# Altium PCB Thande.PcbDoc
Units mm, origin at the board's own origin, x right, y up, seen from the top; angles counter-clockwise.
Board outline 88.52 x 87 mm, 2 copper layers (Top Layer, Bottom Layer); 55 components, 37 nets, 221 pads, 36 vias.
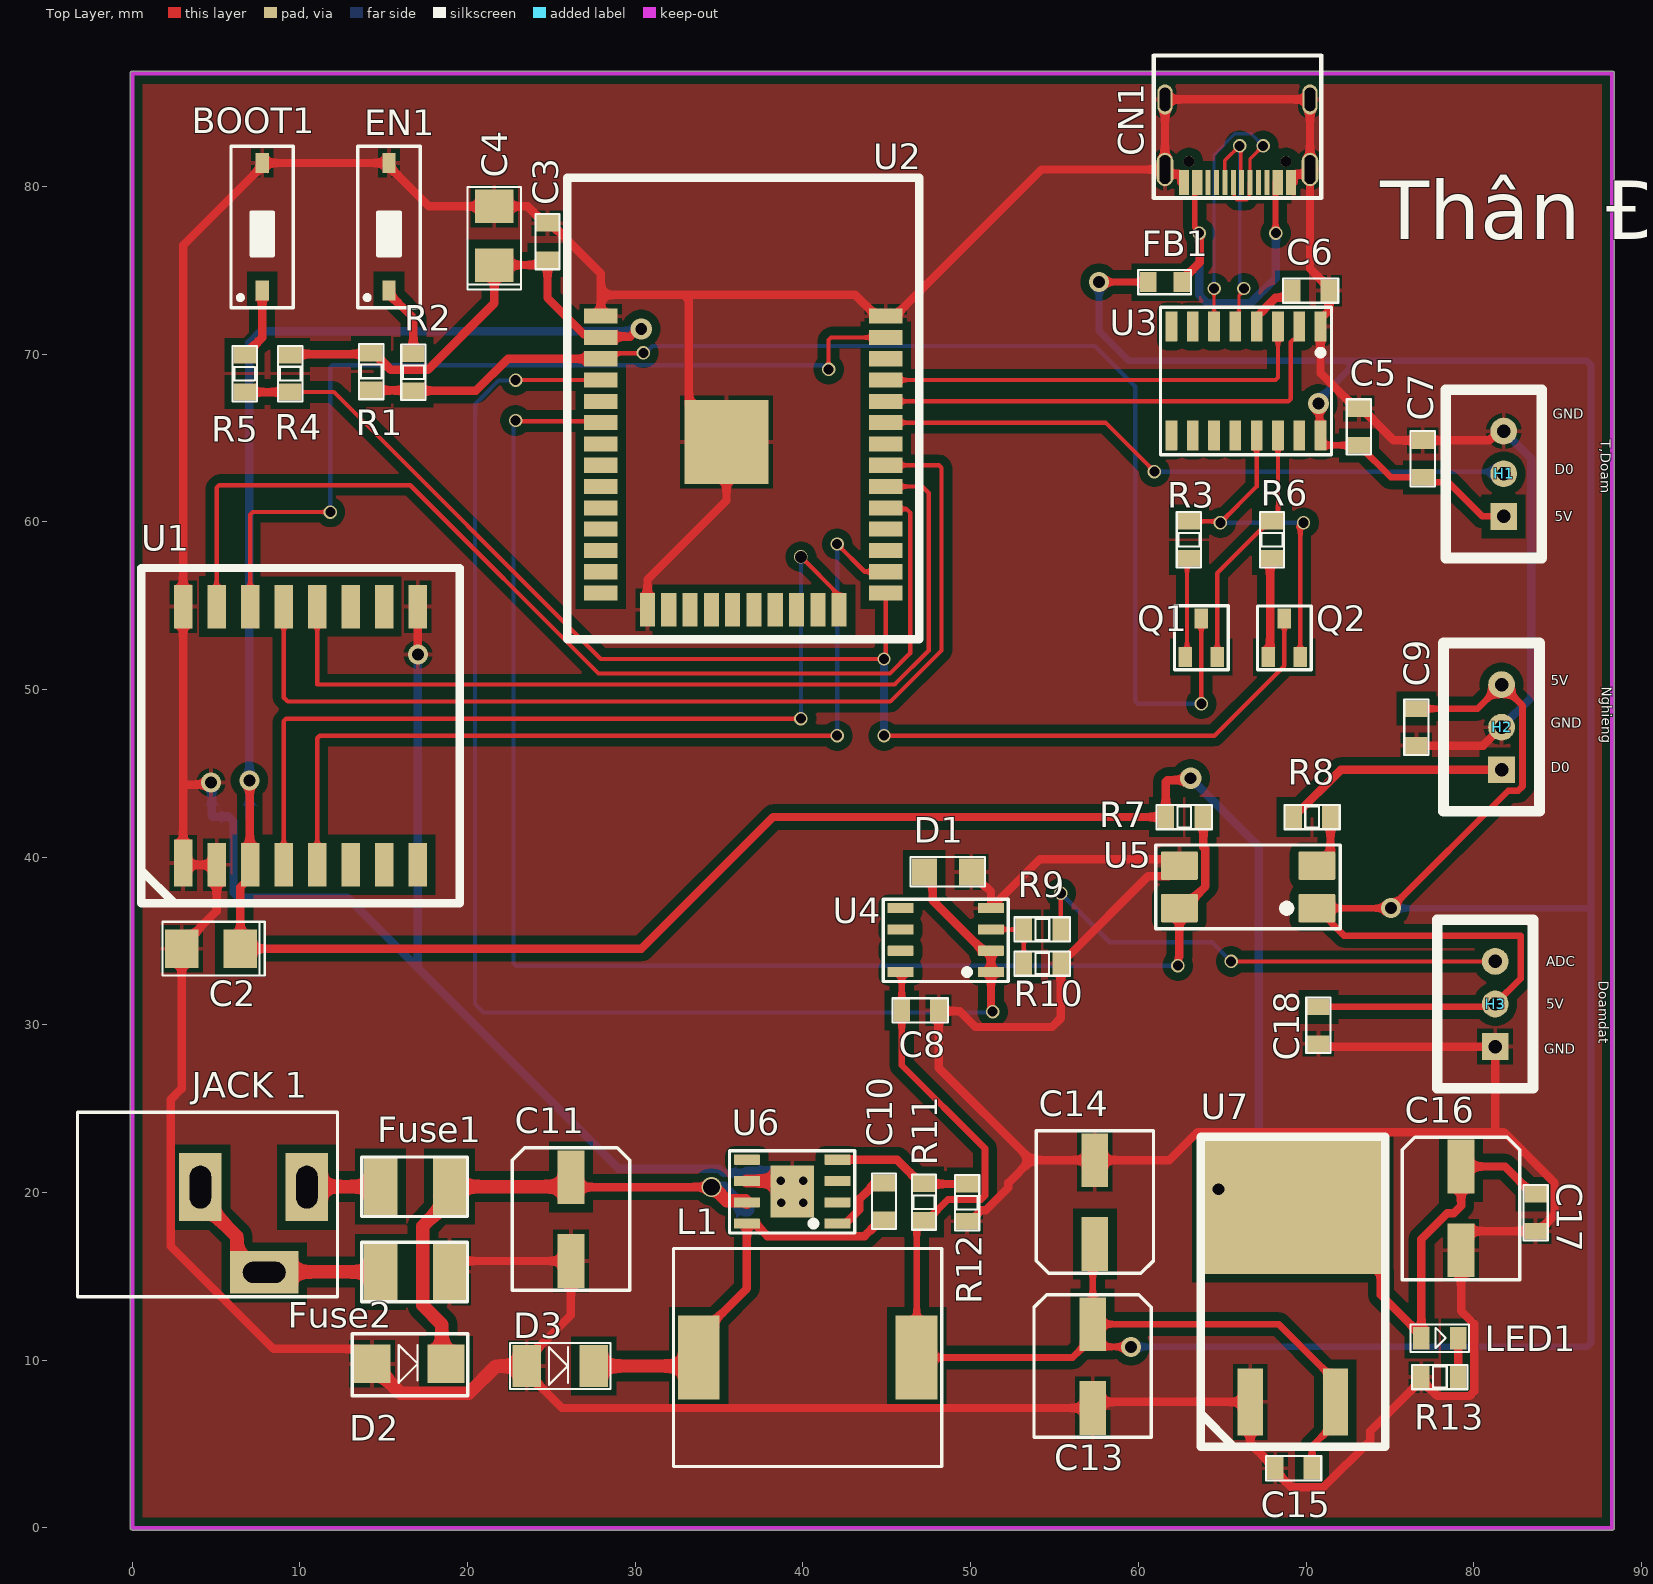
[diagram p0: Top Layer view]
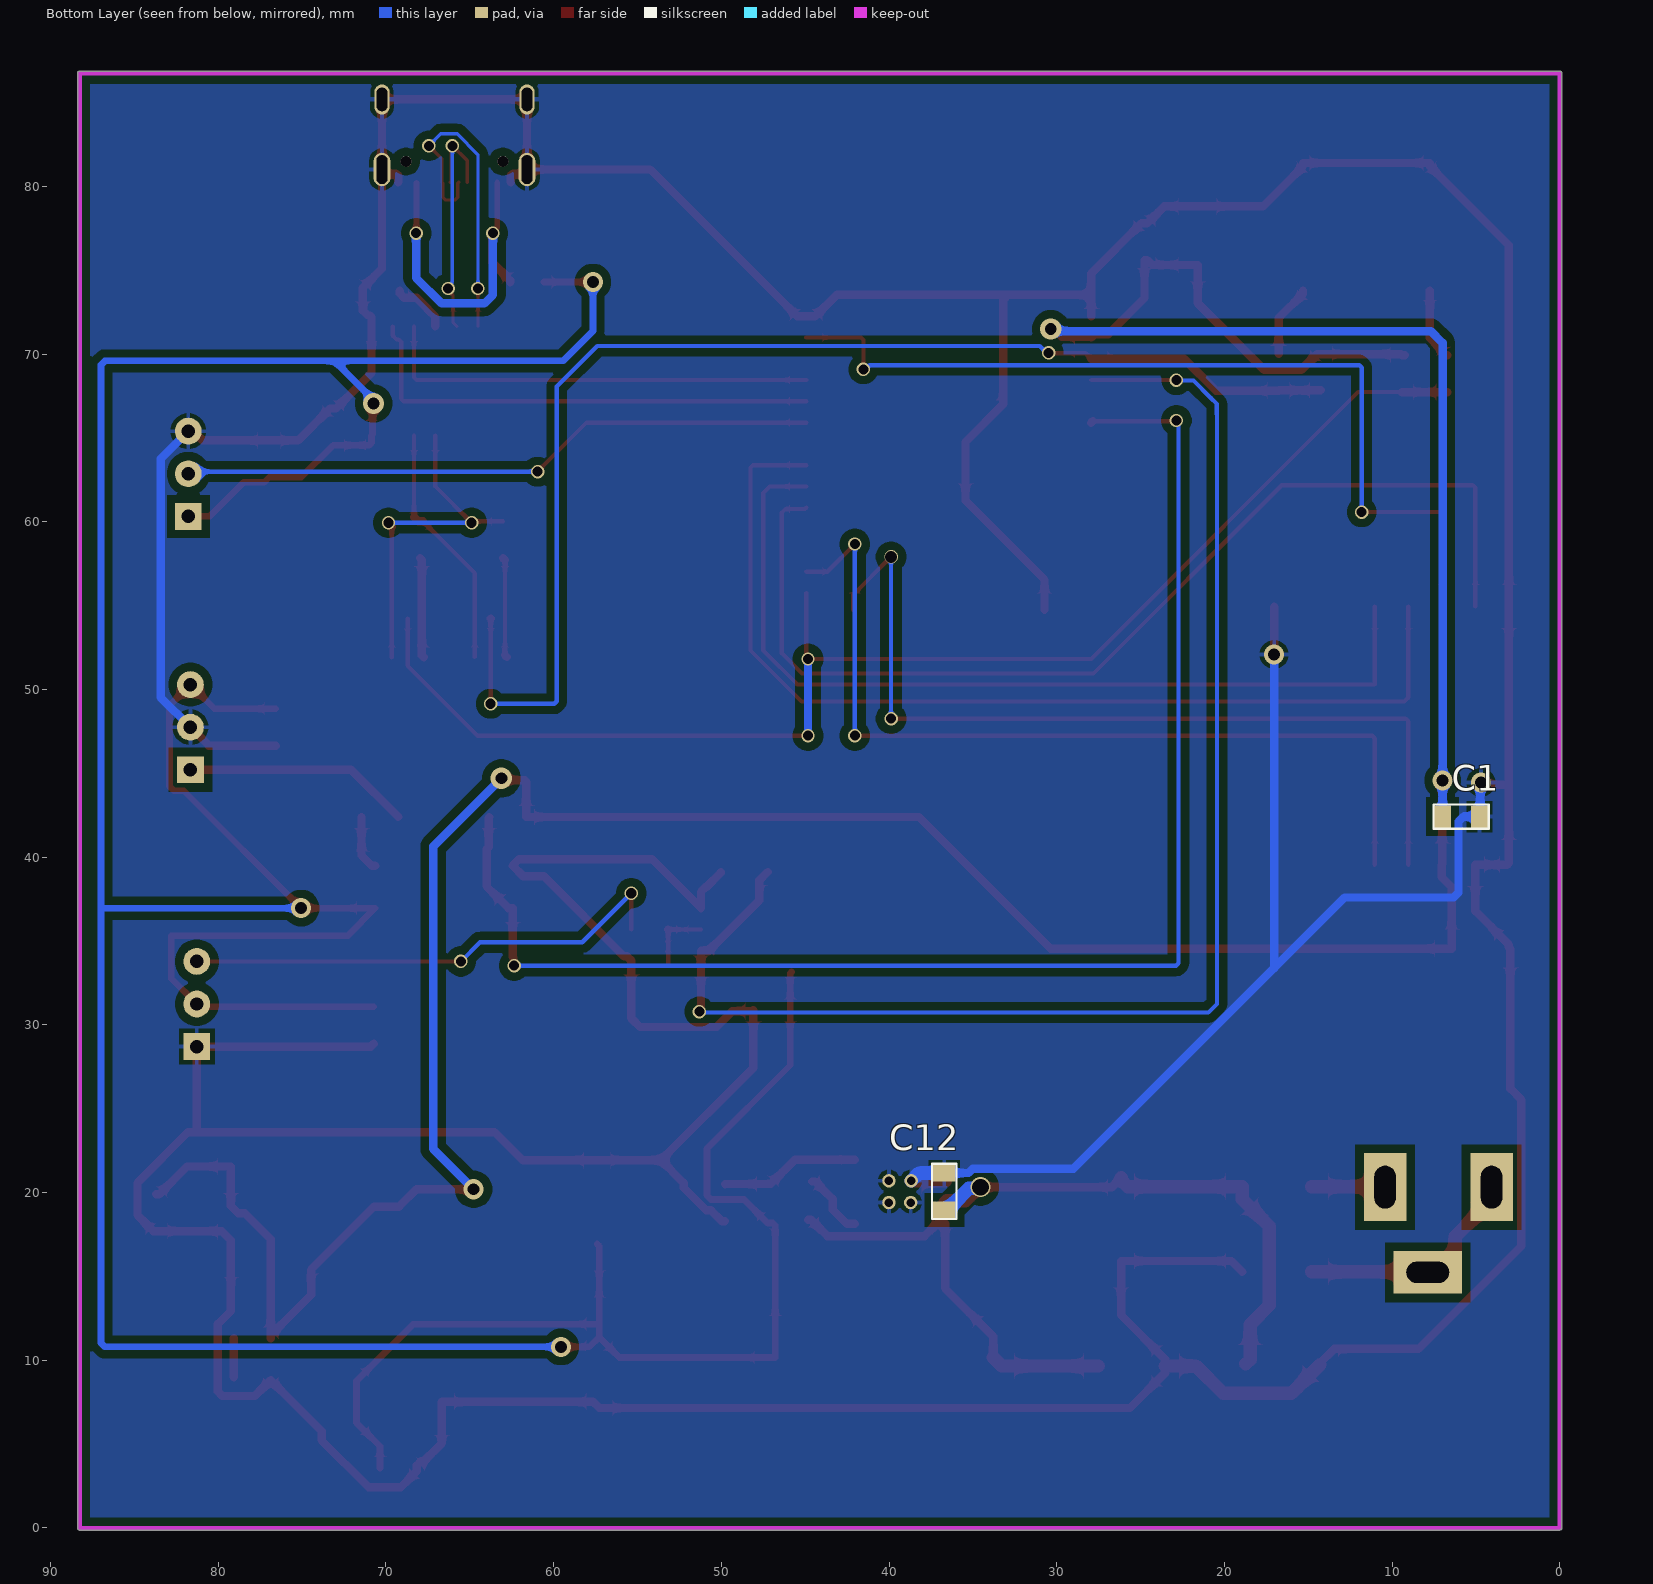
[diagram p1: Bottom Layer view, seen from below]
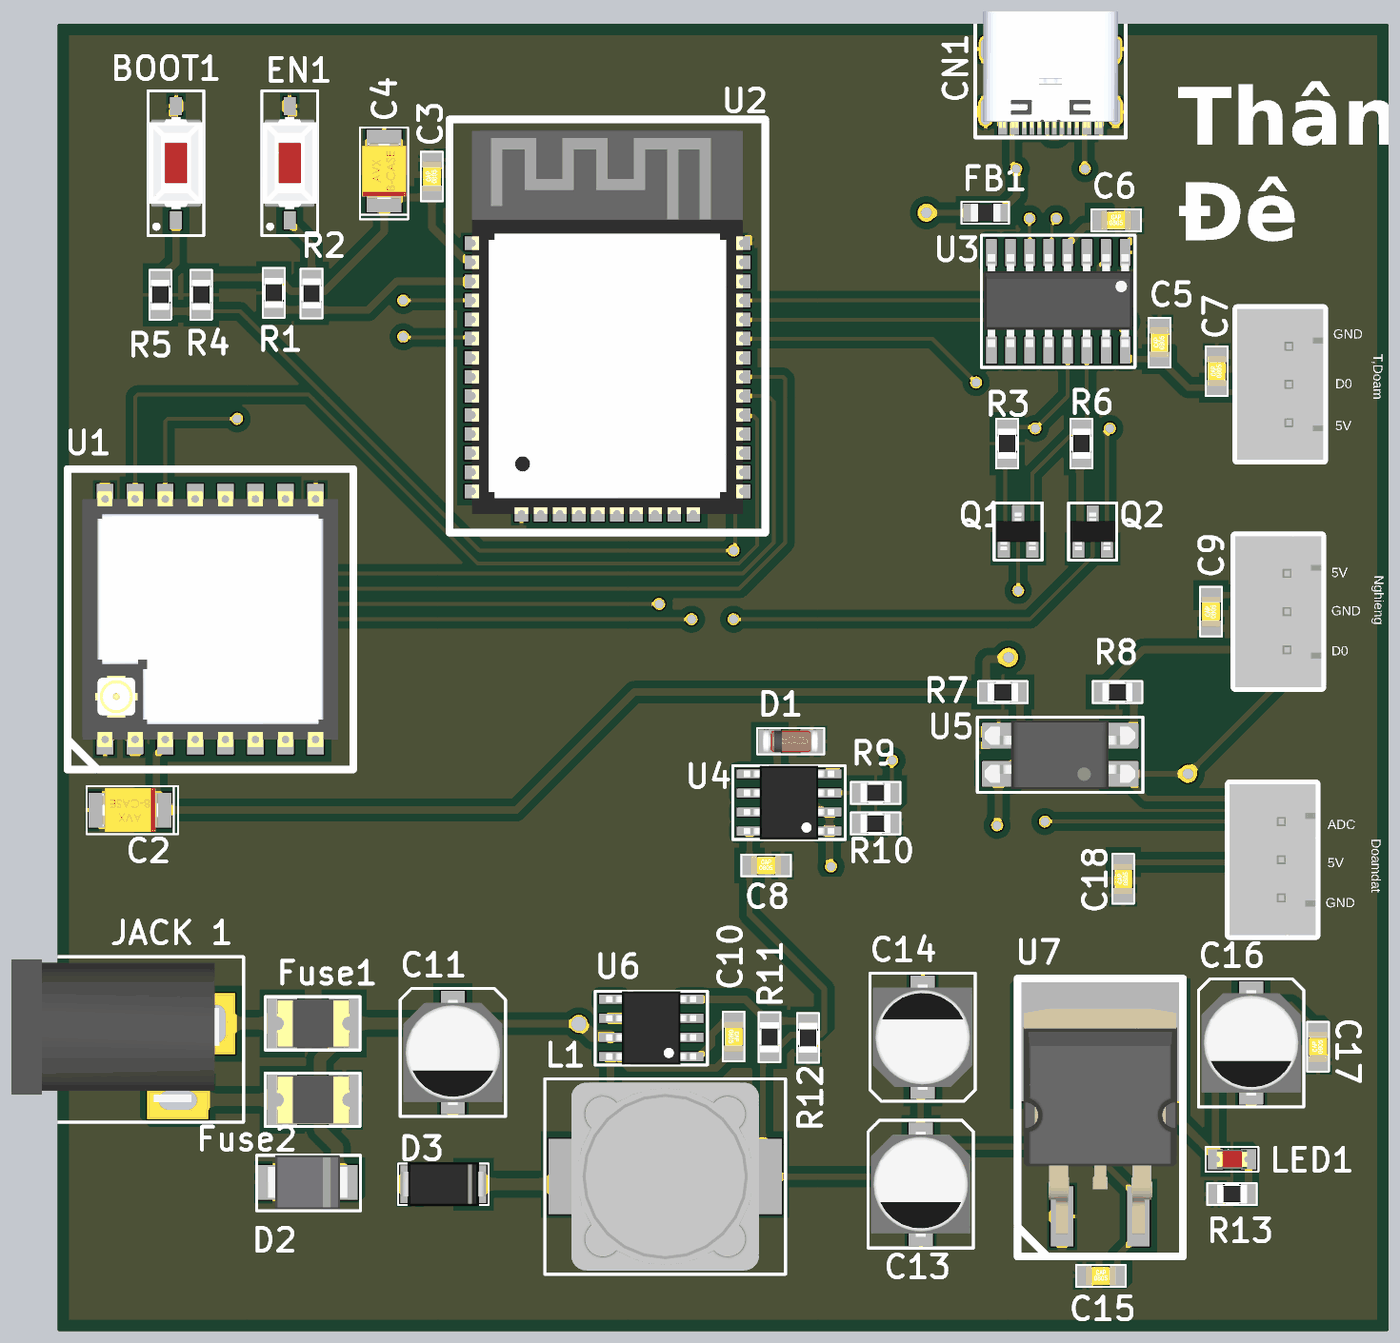
[diagram p2: 3D render of the assembled board from above, using the file's embedded part models]

## Layer stack, top to bottom
Top Solder: solder mask 0.0102, Solder Resist, Dk 3.5
Top Layer: signal copper 0.0356
Dielectric 1: dielectric 0.32, FR-4, Dk 4.8
Bottom Layer: signal copper 0.0356
Bottom Solder: solder mask 0.0102, Solder Resist, Dk 3.5

## Board outline
-0.127,0 -0.127,86.741 cw(c0,86.741) 0,86.868 88.265,86.868 cw(c88.265,86.741) 88.392,86.741 88.392,0 cw(c88.265,0) 88.265,-0.127 0,-0.127 cw(c0,0)

## Design rules (kind name [scope] priority, off if disabled: settings)
Clearance [All] p1: gap=0.254 ignorepadtopadclearanceinfootprint=FALSE except(0: Arc-Hole Track-Hole SMDPad-Hole THPad-Hole Via-Hole Fill-Hole Poly-Hole Region-Hole Text-Hole; 0.2: Arc-Arc Arc-Track Arc-SMDPad Track-Track Track-SMDPad SMDPad-SMDPad; 0.5: Arc-Poly Track-Poly SMDPad-Poly THPad-Poly Via-Poly Fill-Poly Poly-Poly)
PolygonConnect [All] p1: connectstyle=Relief reliefconductorwidth=0.254 reliefentries=4 polygonreliefangle="90 Angle" airgapwidth=0.254
RoutingVias [All] p1: holewidth=0.8 width=1 viastyle="Through Hole" minholewidth=0.8 minwidth=1 maxholewidth=0.8 maxwidth=1
SolderMaskExpansion [All] p1: expansion=0.102 istentingtop=FALSE
Width USB1 [InNet('NetCN1_A7')] p1: maxlimit=0.2 minlimit=0.2 preferedwidth=0.2
Width USB [InNet('NetCN1_A6')] p2: maxlimit=0.2 minlimit=0.2 preferedwidth=0.2
Width 5V [InNet('VCC_5')] p3: maxlimit=0.8 minlimit=0.4 preferedwidth=0.6
Width 12V [All] p4: maxlimit=1 minlimit=0.5 preferedwidth=0.8
Width 3.3V [InNet('VCC_3.3')] p5: maxlimit=0.5 minlimit=0.3 preferedwidth=0.4
Width GND [InNet('GND')] p6: maxlimit=0.8 minlimit=0.4 preferedwidth=0.6
Width GND_IN [InNet('GND_IN')] p7: maxlimit=1 minlimit=0.5 preferedwidth=0.8
Width 12V_IN [InNet('VCC_12_IN')] p8: maxlimit=1 minlimit=0.5 preferedwidth=0.8
Width ALL [All] p9: maxlimit=0.3 minlimit=0.2 preferedwidth=0.254
30 further rules are at their usual default settings.

## Components (designator, comment, footprint, x,y, rotation, side; value= is the part's Value field where it differs from the comment)
BOOT1 "SW_2pin_SMD" SW2-SMD** 7.747,77.597 r90 top
C1 "100nF/50V" CAP-0805** 5.885,42.418 r0 bottom
C2 "100uF/10V" CAP-TANTA-3528** 4.699,34.544 r180 top
C3 "100nF/50V" CAP-0805** 24.765,76.708 r90 top
C4 "100uF/10V" CAP-TANTA-3528** 21.59,77.061 r90 top
C5 "100nF/50V" CAP-0805** 73.152,65.659 r90 top
C6 "100nF/50V" CAP-0805** 70.274,73.787 r0 top
C7 "100nF/50V" CAP-0805** 76.962,63.754 r90 top
C8 "100nF/50V" CAP-0805** 46.99,30.861 r0 top
C9 "100nF/50V" CAP-0805** 76.581,47.752 r90 top
C10 "100nF/50V" CAP-0805** 44.831,19.474 r270 top
C11 "100uF/35V" "CAP-AL- Size D8_6.3×7.7 mm**" 26.162,18.415 r270 top
C12 "100nF/50V" CAP-0805** 36.703,20.066 r270 bottom
C13 "100uF/35V" "CAP-AL- Size D8_6.3×7.7 mm**" 57.277,9.652 r270 top
C14 "100uF/35V" "CAP-AL- Size D8_6.3×7.7 mm**" 57.404,19.431 r90 top
C15 "100nF/50V" CAP-0805** 69.258,3.556 r0 top
C16 "100uF/35V" "CAP-AL- Size D8_6.3×7.7 mm**" 79.248,19.05 r270 top
C17 "100nF/50V" CAP-0805** 83.693,18.796 r90 top
C18 "100nF/50V" CAP-0805** 70.739,29.972 r90 top
CN1 "USB type C-16" "USB TYPE C-16**" 65.913,82.804 r180 top
D1 "ZMM3.3V" DIO_SOD-80C** 48.641,39.116 r180 top
D2 "SMBJ30A" DO-214AA** 16.51,9.779 r0 top
D3 "B340A" DO-214AC** 25.527,9.652 r0 top
EN1 "SW_2pin_SMD" SW2-SMD** 15.311,77.597 r90 top
FB1 "100mA" "FB 0805**" 61.595,74.295 r180 top value=600R/100mA
Fuse1 "T300_3A" FUSE-1812** 16.891,20.32 r0 top
Fuse2 "T300_3A" FUSE-1812** 16.891,15.24 r0 top
H1 "Header 3P 2.54 Duc Thang" XH2.54M-3 81.788,60.325 r90 top
H2 "Header 3P 2.54 Duc Thang" XH2.54M-3 81.661,45.212 r90 top
H3 "Header 3P 2.54 Duc Thang" XH2.54M-3 81.28,28.702 r90 top
"JACK 1" "DC3501" DC_005** 7.239,17.78 r0 top value="Jac DC"
L1 "CDRH12_22uH" IND_CDRH12_12x12x7MM** 40.282,10.16 r0 top value=22uH
LED1 "LedRed" LED-0805-Red** 77.978,11.303 r0 top
Q1 "MMBT3904" "SOT23-3 **" 63.754,53.086 r0 top
Q2 "MMBT3904" "SOT23-3 **" 68.707,53.079 r0 top
R1 "10K" Res-0805** 14.224,68.961 r90 top
R2 "10K" Res-0805** 16.789,68.918 r270 top
R3 "10K" Res-0805** 62.992,58.928 r90 top
R4 "10K" Res-0805** 9.398,68.834 r90 top
R5 "10K" Res-0805** 6.731,68.834 r270 top
R6 "10K" Res-0805** 67.945,58.928 r90 top
R7 "10K" Res-0805** 62.738,42.418 r0 top
R8 "390R 1%" Res-0805** 70.358,42.418 r0 top
R9 "10K" Res-0805** 54.272,35.712 r0 top
R10 "2K" Res-0805** 54.272,33.63 r180 top
R11 "10K" Res-0805** 47.244,19.431 r270 top
R12 "3.24K" Res-0805** 49.759,19.388 r90 top
R13 "1K" Res-0805** 77.978,9.017 r0 top
U1 "RA-02" RA-02 10.033,47.244 r90 top
U2 "" ESP32WROOM32E8MB 36.44,63.508 r0 top
U3 "CH340C" SOIC-16** 66.421,68.401 r270 top
U4 "LM358" SOIC8** 48.514,35.052 r180 top
U5 "L817BN" SOP-4** 66.548,38.227 r180 top value=PC817
U6 "TPS5430" SOIC8-PAD** 39.355,20.051 r180 top
U7 "LM1084ISX-3.3" TO-263/D2PAK 69.215,13.335 r0 top

## Footprints (in the part's own frame and the unit in brackets; to place one, negate y for a bottom-side part, rotate by r counter-clockwise, add the part's x,y. Pads: shape width x height; smd on the part's side, far side on the other; paste and mask are expansions set on the pad)
CAP-0805** [mm]
  rect 1x1.35 smd: 1(-1.1,0) 2(1.1,0)
  silkscreen extent -1.65,-0.72 1.65,0.73, body extent -1,-0.62 1,0.63, height 1.25
"CAP-AL- Size D8_6.3×7.7 mm**" [mm] "6.3×7.7 mm"
  rect 3.2x1.6 smd: 1(-2.5,0) 2(2.5,0)
  silkscreen extent -4.25,-3.5 4.25,3.5, body extent -3.5,-3.3 3.5,3.3, height 7.71
CAP-TANTA-3528** [mm]
  rect 2x2.3 smd: 1(-1.75,0) 2(1.75,0)
  silkscreen extent -3.2,-1.6 2.9,1.6, body extent -1.85,-1.46 1.85,1.47, height 2.03
DC_005** [mil] "Jack DC3.5x1.3MM DC3501"
  rect 100x160 hole 50 slot 100 at 90 deg: 1(125,100) 2(-125,100)
  rect 160x100 hole 50 slot 100 at 0 deg: 3(25,-100)
  silkscreen extent -413,-157 197,276, body extent -410,-105 134,269, height 434
DIO_SOD-80C** [mm]
  rect 1.5x1.6 smd: 1(-1.4,0) 2(1.4,0)
  silkscreen extent -2.22,-0.89 2.23,0.86, body extent -1.82,-0.8 1.88,0.8, height 1.6
DO-214AA** [mm]
  rect 2.2x2.3 smd: 1(-2.21,0) 2(2.21,0)
  silkscreen extent -3.39,-1.9 3.5,1.8, body extent -2.7,-1.8 2.7,1.8, height 2.32
DO-214AC** [mm]
  rect 1.7x2.5 smd: 1(-2,0) 2(2,0)
  silkscreen extent -3,-1.37 3,1.38, body extent -2.8,-1.48 2.8,1.48, height 2.7
ESP32WROOM32E8MB [mm]
  rect 2x0.9 smd: 1(-8.5,8.755) 2(-8.5,7.485) 3(-8.5,6.215) 4(-8.5,4.945) 5(-8.5,3.675) 6(-8.5,2.405) 7(-8.5,1.135) 8(-8.5,-0.135) 9(-8.5,-1.405) 10(-8.5,-2.675) 11(-8.5,-3.945) 12(-8.5,-5.215) 13(-8.5,-6.485) 14(-8.5,-7.755) 25(8.5,-7.755) 26(8.5,-6.485) 27(8.5,-5.215) 28(8.5,-3.945) 29(8.5,-2.675) 30(8.5,-1.405) 31(8.5,-0.135) 32(8.5,1.135) 33(8.5,2.405) 34(8.5,3.675) 35(8.5,4.945) 36(8.5,6.215) 37(8.5,7.485) 38(8.5,8.755)
  rect 0.9x2 smd: 15(-5.715,-8.755) 16(-4.445,-8.755) 17(-3.175,-8.755) 18(-1.905,-8.755) 19(-0.635,-8.755) 20(0.635,-8.755) 21(1.905,-8.755) 22(3.175,-8.755) 23(4.445,-8.755) 24(5.715,-8.755)
  rect 5x5 smd: 38(-1,1.255)
  silkscreen extent -10.5,-10.5 10.5,17, body extent -9,-9.25 9,16.25, height 3.1
"FB 0805**" [mm] "Chip Resistor, Body 2.0x1.2mm, IPC High Density"
  rect 1x1.2 smd: 1(-1,0) 2(1,0)
  silkscreen extent -1.55,-0.72 1.6,0.73, body extent -1,-0.6 1,0.6, height 0.95
FUSE-1812** [mm]
  rect 2x3.5 smd: 1(-2.084,0.029) 2(2.036,0.029)
  silkscreen extent -3.2,-1.75 3.1,1.8, body extent -2.43,-1.58 2.39,1.64, height 1.32
IND_CDRH12_12x12x7MM** [mm]
  rect 2.5x5 smd: 1(-6.5,0) 2(6.5,0)
  silkscreen extent -8,-6.5 8,6.5, body extent -6.25,-6.25 6.25,6.25, height 6
LED-0805-Red** [mm]
  rect 1x1.35 smd: 1(-1.1,0) 2(1.1,0)
  silkscreen extent -1.75,-0.82 1.75,0.82, body extent -1.01,-0.63 1.01,0.63, height 1.1
RA-02 [mm]
  rect 2.8x1.1 smd: 1(-7.6,7)
  rect 2.6x1.1 smd: 2(-7.7,5) 3(-7.7,3) 4(-7.7,1) 5(-7.7,-1) 6(-7.7,-3) 7(-7.7,-5) 8(-7.7,-7) 9(7.7,-7) 10(7.7,-5) 11(7.7,-3) 12(7.7,-1) 13(7.7,1) 14(7.7,3) 15(7.7,5) 16(7.7,7)
  silkscreen extent -10,-9.5 10,9.5, body extent -8.5,-8.5 8.5,8.5, height 3.3
Res-0805** [mm]
  rect 1x1.35 smd: 1(-1.1,-0.025) 2(1.1,-0.025)
  silkscreen extent -1.65,-0.75 1.65,0.7, body extent -1,-0.65 1,0.6, height 0.5
SOIC8** [mm]
  rrect10% 1.55x0.6 smd mask+0.07: 1(-2.7,1.905) 2(-2.7,0.635) 3(-2.7,-0.635) 4(-2.7,-1.905) 5(2.7,-1.905) 6(2.7,-0.635) 7(2.7,0.635) 8(2.7,1.905)
  silkscreen extent -3.73,-2.44 3.73,2.46, body extent -3,-2.45 3,2.45, height 1.75
SOIC8-PAD** [mm]
  rrect10% 1.55x0.6 smd mask+0.07: 1(-2.7,1.905) 2(-2.7,0.635) 3(-2.7,-0.635) 4(-2.7,-1.905) 5(2.7,-1.905) 6(2.7,-0.635) 7(2.7,0.635) 8(2.7,1.905)
  round 0.8 hole 0.5: 9(-0.65,0.65) 9(-0.65,-0.65) 9(0.65,0.65) 9(0.675,-0.65)
  rect 2.6x3.1 smd mask+0.07: 9(0,0)
  silkscreen extent -3.73,-2.44 3.73,2.46, body extent -3,-2.45 3,2.45, height 1.75
SOIC-16** [mm]
  rrect10% 1.8x0.7 smd: 1(-3.25,4.445) 2(-3.25,3.175) 3(-3.25,1.905) 4(-3.25,0.635) 5(-3.25,-0.635) 6(-3.25,-1.905) 7(-3.25,-3.175) 8(-3.25,-4.445) 9(3.25,-4.445) 10(3.25,-3.175) 11(3.25,-1.905) 12(3.25,-0.635) 13(3.25,0.635) 14(3.25,1.905) 15(3.25,3.175) 16(3.25,4.445)
  silkscreen extent -4.4,-5.1 4.4,5.1, body extent -3.15,-4.95 3.05,4.95, height 1.7
SOP-4** [mm]
  rrect10% 2.2x1.7 smd mask+0.07: 1(-4.1,1.27) 2(-4.1,-1.27) 3(4.1,-1.27) 4(4.1,1.27)
  silkscreen extent -5.5,-2.5 5.5,2.5, body extent -4.99,-2.29 5.02,2.29, height 3.95
"SOT23-3 **" [mm] "SOT23, 3-Leads, Body 2.97x2.30mm, Pitch 0.95mm, IPC Medium Density"
  rect 0.8x1.2 smd mask+0.07: 1(-0.95,-1.15) 2(0.95,-1.15) 3(0,1.15)
  silkscreen extent -1.6,-1.9 1.6,1.9, body extent -1.5,-1.25 1.5,1.25, height 1.11
SW2-SMD** [mm]
  rect 1.2x0.8 smd: 1(-3.8,0) 2(3.8,0)
  silkscreen extent -4.82,-1.85 4.8,1.85, body extent -3.05,-1.85 3.05,1.85, height 2.5
TO-263/D2PAK [mm]
  rect 1.5x4 smd: 1(-2.54,-5.82) 3(2.54,-5.82)
  rect 11x8 smd: 2(0,5.82)
  silkscreen extent -5.5,-8.5 5.5,10, body extent -5.1,-7 5.1,8.01, height 4.5
"USB TYPE C-16**" [mm]
  rect 0.3x1.5 smd mask+0.05: A1(-3.35,2.565) A4(-2.55,2.565) A5(-1.25,2.565) A6(-0.25,2.565) A7(0.25,2.565) A8(1.25,2.565) A9(2.55,2.565) A12(3.35,2.565) B1(3.05,2.565) B4(2.25,2.565) B5(1.75,2.565) B6(0.75,2.565) B7(-0.75,2.565) B8(-1.75,2.565) B9(-2.25,2.565) B12(-3.05,2.565)
  oval 1x2 hole 0.65 slot 1.72 at 90 deg: MH1(-4.325,1.795) MH2(4.325,1.795)
  oval 0.9x1.8 hole 0.65 slot 1.4 at 90 deg: MH3(-4.325,-2.385) MH4(4.325,-2.385)
  round 0.65 hole 0.65 unplated: ""(-2.89,1.315) ""(2.89,1.315)
  silkscreen extent -5,-5 5,3.5, body extent -4.47,-4.88 4.47,2.87, height 3.26
XH2.54M-3 [mm]
  rect 1.6x1.6 hole 0.8: 1(0,0)
  round 1.6 hole 0.8: 2(2.54,0) 3(5.08,0)
  silkscreen extent -2.48,-2.26 7.56,3.46, body extent -2.48,-2.26 7.56,3.48, height 6.91

## Part data
C1 C3 C5 C6 C7 C8 C9 C10 C12 C15 C17 C18: library part Cap-100nF/50V_0805, "2Pin-SMD-0805 ,Ceramic X7R", Supplier Part Number 1=478-5794-1-ND, ComponentLink2Description=LINK, ComponentLink2URL=https://detail.tmall.com/item.htm?spm=a230r.1.14.4.26821280N1IkGr&id=14263740089&ns=1&abbucket=13, Supplier 1=Digi-Key
C2 C4: library part "Cap-Tanta_100uF/10V 3528", "Cap-Tantalum  SMD3528 3.5mm x 2.8mm", ComponentLink1Description=LINK, ComponentLink1URL=https://www.linhkienchatluong.vn/tu-tantalium/tu-tantalum-3528-107a-10v-100uf-35x28mm-tajb107m010rnj_sp460_ct1163.aspx
C11 C13 C14 C16: library part Cap-Al_100uF/35V, "Cap-Al-Size D8_6.3×7.7 mm", Supplier Part Number 1=PCE4023CT-ND, ComponentLink1Description=LINK, ComponentLink1URL=https://detail.tmall.com/item.htm?id=41255381063&ali_refid=a3_430620_1006:1109983619:N:mR14IaEyJGx9IXgn9mrJ8g==:fcc8671f3f0767a2a283883aff17c2c8&ali_trackid=1_fcc8671f3f0767a2a283883aff17c2c8&spm=a230r.1.14.11, Supplier 1=Digi-Key
CN1: Package=None, Availability="In Stock", Check_prices=https://www.snapeda.com/parts/CSP-USC16-TR/Valcon/view-part/?ref=eda, MF=Valcon, MP=CSP-USC16-TR, Price=None, Purchase-URL=https://pricing.snapeda.com/search/part/CSP-USC16-TR/?ref=eda, SnapEDA_Link=https://www.snapeda.com/parts/CSP-USC16-TR/Valcon/view-part/?ref=snap
D1: library part DZener_ZMM3.3V, "DZener_ZMM3.3V,SOD-80C", ComponentLink1Description=LINK, ComponentLink1URL=https://detail.tmall.com/item.htm?spm=a230r.1.14.11.4c6f2e27C7N5AA&id=44184695267&ns=1&abbucket=16&skuId=3817262781770
D2: library part D-TVS_SMBJ30A, "DO-214AA**", Supplier Part Number 1=497-7452-1-ND, Supplier 1=Digi-Key
D3: library part DSchottky_B340A, "DO_214AC", Supplier Part Number 1=B340A-FDICT-ND, Code_JEDEC=DO-214-AA, LatestRevisionDate=17-Jul-2002, LatestRevisionNote="Re-released for DXP Platform.", PackageDescription="DO-214-AA/SMB; 2 C-Bend Leads; Body 5.3 x 3.6 mm, inc. leads (LxW)", PackageReference=SMB, Published=8-Jun-2000, Publisher="Altium Limited", Supplier 1=Digi-Key
FB1: library part FB0805/600R_0805, "FB0805/600R/0805", Supplier Part Number 1=732-1605-1-ND, Code_IEC=1005, Code_JEITA=0402, ComponentLink1Description=LINK, ComponentLink1URL=https://detail.tmall.com/item.htm?spm=a230r.1.14.19.4d2d4104dPStzc&id=520400456792&ns=1&abbucket=14, LatestRevisionDate=29-May-2009, LatestRevisionNote="IPC-7351 Footprint Added.", PackageDescription="Chip Inductor", PackageReference=0402-A, Published=8-Jun-2000, Publisher="Altium Limited", Supplier 1=Digi-Key
Fuse1 Fuse2: library part "FUSE 3A _1812", "SMD 1812", ComponentLink1Description=LINK
H1 H2 H3: "Cắm", Chung_Loai=Cắm, Don_Vi=Con, Ma_Hang=MH001292, Ten_Linh_Kien="Header 3P XH2.54-3P Đực Thẳng"
"JACK 1": library part "Jack  DC3501", "Jack DC3.5x1.3MM DC3501", ComponentLink1Description=LINK, ComponentLink1URL=https://banlinhkien.vn/search.php?encode=YToyOntzOjg6ImtleXdvcmRzIjtzOjc6IiBEQzM1MDEiO3M6MTg6InNlYXJjaF9lbmNvZGVfdGltZSI7aToxNTk1MTMzOTcxO30=
L1: library part IN_CDRH12_22uH, "CDRH12_12x12x7MM**", Manufacturer="Generic Components", Class=Passive, ComponentLink1Description=LINK, ComponentLink1URL=https://detail.tmall.com/item.htm?spm=a230r.1.14.4.22082c55KfJoCj&id=611579782762&ns=1&abbucket=13, Published=08/06/2000, Publisher="Altium Hobart Technology Centre", SubClass=Inductor
LED1: "2Pin-SMD"
Q1 Q2: library part TRA-N_MMBT3904, "3PIN-SOT23,MMBT3904", ComponentLink1Description=LINK, ComponentLink1URL=https://item.taobao.com/item.htm?id=527006583092&ali_refid=a3_430620_1006:1121200726:N:XI%2BpTmT8xw9bZIeM%2FjTiLA%3D%3D:19dd16769967fd6e0912d0270aacb09b&ali_trackid=1_19dd16769967fd6e0912d0270aacb09b&spm=a230r.1.14.6#detail
R1 R2 R3 R4 R5 R6 R7 R9 R11: library part "Res-10K 0805 SMD", "Res-10K 0805 SMD", Supplier Part Number 1=P2.2KADCT-ND, ComponentLink1Description=LINK, ComponentLink1URL=https://item.taobao.com/item.htm?id=9650284639&ali_refid=a3_430620_1006:1103178945:N:UGPSVTFPMeU0i498yOmUJg%3D%3D:a0464737d977578f179f11ed5bc90629&ali_trackid=1_a0464737d977578f179f11ed5bc90629&spm=a230r.1.14.3#detail, Supplier 1=Digi-Key
R8: library part "Res-390R 1% 0805 SMD", ComponentLink1Description=LINK, ComponentLink1URL=https://www.linhkienchatluong.vn/dien-tro-dan-0805-18w/dien-tro-dan-0805-430k-1-50c_sp837_ct5409.aspx
R10: library part "Res-2K 0805 SMD", "Res-2KK 0805 SMD", Supplier Part Number 1=P20KDBCT-ND, ComponentLink1Description=LINK, ComponentLink1URL=https://banlinhkien.com/tro-0805-5-2k-50c-p6653599.html, Supplier 1=Digi-Key
R12: library part "Res-3.24K 0805 SMD", "Res-3.24K 0805 SMD", Supplier Part Number 1=P2.2KADCT-ND, ComponentLink1Description="New link", ComponentLink1URL=https://detail.tmall.com/item.htm?spm=a230r.1.14.40.76941cc8lWAt5G&id=601599239036&ns=1&abbucket=13&skuId=4207155181076, Supplier 1=Digi-Key
R13: library part "Res-1K 0805 SMD", "Res-1K 0805 SMD", Supplier Part Number 1=311-1.00KCRDKR-ND, ComponentLink1Description=LINK, ComponentLink1URL=https://detail.tmall.com/item.htm?spm=a230r.1.14.11.52f63c9f5M7ld0&id=590284119473&ns=1&abbucket=18, Supplier 1=Digi-Key
U1: "General ISM < 1GHz LoRaâ„¢ Transceiver Module 410MHz ~ 525MHz Antenna Not Included, I-PEX Surface Mount", Package=None, Check_prices=https://www.snapeda.com/parts/RA-02/AI-Thinker/view-part/?ref=eda, MF=Ai-Thinker, MP=RA-02, SnapEDA_Link=https://www.snapeda.com/parts/RA-02/AI-Thinker/view-part/?ref=snap
U2: library part ESP32-WROOM-32E__8MB_, "Integrated Circuit", Manufacturer_Name="Espressif Systems", Manufacturer_Part_Number="ESP32-WROOM-32E (8MB)", Mouser Part Number=356-ESP32WRM32E164PH, Datasheet Link=https://www.espressif.com/sites/default/files/documentation/esp32-wroom-32_datasheet_en.pdf, Height=3.2mm, Mouser Price/Stock=https://www.mouser.co.uk/ProductDetail/Espressif-Systems/ESP32-WROOM-32E-8MB?qs=GBLSl2AkirsjshqvD9slKA%3D%3D
U3: "16Pin-SOIC", ComponentLink1Description=LINK, ComponentLink1URL=https://item.taobao.com/item.htm?id=639554726734&ali_refid=a3_430620_1006:1261900192:N:GznzMacpvOVvv07TLoCAYw%3D%3D:7282688349290e4dc0857049d96b4ef9&ali_trackid=1_7282688349290e4dc0857049d96b4ef9&spm=a230r.1.14.6#detail
U4: "SOIC8"
U5: library part OPTO_L817BN, "L817BN SOP4", ComponentLink1Description=LINK, ComponentLink1URL=https://item.taobao.com/item.htm?spm=a230r.1.14.19.6c471961JMIiKV&id=598294866942&ns=1&abbucket=16#detail
U6: "SOIC8 pad-Height 1.7mm", Supplier Part Number 1=296-19447-5-ND, ComponentLink1Description=LINK, ComponentLink1URL=https://item.taobao.com/item.htm?id=575547225646&ali_refid=a3_430620_1006:1157180137:N:TqzOo3Qsw2wJKBie%2FoCIZA%3D%3D:72b2137211524287db0a57c77fec9fe5&ali_trackid=1_72b2137211524287db0a57c77fec9fe5&spm=a230r.1.14.3#detail, Supplier 1=Digi-Key
U7: "TO263-3"
BOOT1 EN1: ComponentLink1Description=LINK, ComponentLink1URL=https://www.linhkienchatluong.vn/nut-nhan-sieu-nho/nut-nhan-2-chan-dan-3x6x25mm-loai-tot-dong-day-10c_sp849_ct1800.aspx

## Via types
v1: diameter 0.8, hole 0.6, Top Layer to Bottom Layer, 24 vias
v2: diameter 1.2, hole 0.711, Top Layer to Bottom Layer, 7 vias
v3: diameter 1.27, hole 0.711, Top Layer to Bottom Layer, 3 vias
v4: diameter 1.2, hole 1, Top Layer to Bottom Layer, 1 vias
v5: diameter 0.8, hole 0.711, Top Layer to Bottom Layer, 1 vias

## Nets (pads, with @x,y where several pads share a name; then routed paths per layer and width w, separated by ;. In a path a pad name is that pad's centre, name@x,y a point inside that pad or via, vN(x,y) a via of type N, cw(c..) or ccw(c..) an arc to the next point about the centre after c; other vN are vias at no path point)
ADC_IN_1: H3.3 R9.2 | length 29.8
  Top Layer w0.254: R9.2 v1(55.372,37.846) ; v1(65.532,33.782) H3.3
  Bottom Layer w0.254: v1(55.372,37.846) 58.293,34.925 64.389,34.925 v1(65.532,33.782)
D1: H2.1 R8.1 | length 14.3
  Top Layer w0.5: R8.1 72.077,45.212 H2.1 H2.1@81.171,45.702
DTR#: Q2.2 R3.2 U3.13 | length 21.1
  Top Layer w0.254: R3.2 v1@64.756,60.028 ; v1(64.897,59.944) 67.056,62.103 U3.13 ; Q2.2 v1@69.657,59.694
  Top Layer w0.5: v1@64.756,60.028 64.84,59.944 v1(64.897,59.944) ; v1@69.657,59.694 69.85,59.887 v1(69.85,59.944)
  Bottom Layer w0.254: v1(64.897,59.944) v1(69.85,59.944)
EN_ESP32: Q1.3 R1.1 R2.2 U2.3 | length 75.5
  Top Layer w0.254: U2.3 28.263,70.046 30.447,70.046 v1(30.48,70.079) ; v1(63.754,49.149) Q1.3
  Top Layer w0.5: R1.1 14.271,67.84 16.742,67.84 R2.2 20.501,67.818 22.406,69.723 U2.3
  Bottom Layer w0.254: v1(30.48,70.079) 30.604,70.079 31.01,70.485 57.404,70.485 59.817,68.072 59.817,49.298 59.966,49.149 v1(63.754,49.149)
ESP32_ADC_1: D1.2 U2.4 U4.1 U4.2 | length 85.3
  Top Layer w0.254: v1(22.86,68.453) U2.4
  Top Layer w0.5: D1.2 47.741,38.616 47.741,37.415 50.739,34.417 U4.2 U4.1 51.214,33.101 51.21,33.097 51.21,30.889 v1(51.308,30.791)
  Bottom Layer w0.254: v1(22.86,68.453) 22.831,68.424 21.847,68.424 20.814,67.391 20.448,67.024 20.448,66.422 20.447,66.421 20.447,31.242 20.955,30.734 51.251,30.734 v1(51.308,30.791)
ESP32_GPIO_DHT22: H1.2 U2.33 | length 38.1
  Top Layer w0.254: U2.33 58.039,65.913 v1(60.96,62.992)
  Bottom Layer w0.254: v1(60.96,62.992) 81.661,62.992 H1.2
GND: BOOT1.2 C1.1 C2.2 C3.2 C4.2 C5.2 C6.2 C7.2 C8.2 C9.1 C11.2 C12.1 C13.2 C14.2 C15.1 C16.2 C17.1 C18.1 CN1.A1 CN1.A12 CN1.B1 CN1.B12 CN1.MH1 CN1.MH2 CN1.MH3 CN1.MH4 D1.1 D2.1 D3.1 EN1.2 Fuse2.2 H1.3 H2.2 H3.1 R10.1 R12.1 R13.1 U1.1 U1.2 U1.9 U1.16 U2.1 U2.15 U2.38 U3.1 U4.4 U5.3 U6.6 U6.9 U7.1 | length 522.6
  Top Layer w0.5: v2(4.699,44.45) 4.572,44.323 3.16,44.323 3.033,44.45 ; D2.1@14.3,9.729 D2.1 14.3,9.829 13.45,10.679 8.42,10.679 2.29,16.809 2.29,25.532 2.949,26.191 C2.2 3.033,34.628 3.033,34.778 5.033,36.778 U1.2 3.133,39.544 U1.1 3.033,44.45 ; v2(17.033,52.085) U1.9 ; Fuse2.2 19.574,15.915 C11.2 26.162,12.687 23.527,10.052 D3.1 23.527,9.252 25.627,7.152 C13.2 57.64,7.515 U7.1 66.675,5.039 67.733,3.981 67.908,3.981 68.158,3.731 C15.1 68.158,3.381 69.108,2.431 71.044,2.431 73.836,5.223 73.836,5.775 76.878,8.817 77.828,7.867 79.764,7.867 80.028,8.13 80.028,12.164 79.248,12.944 C16.2 79.248,17.146 79.798,17.696 C17.1 83.868,17.696 84.818,18.646 84.818,20.582 81.795,23.605 81.28,23.605 ; U2.1 27.94,73.535 ; U2.15 30.725,56.55 35.44,61.265 35.44,64.763 33.19,67.013 33.19,73.243 32.897,73.535 ; R12.1 49.959,18.288 50.609,18.938 50.894,18.938 52.248,20.292 52.248,20.577 53.602,21.931 ; D1.1 50.041,39.066 50.871,38.236 50.921,38.236 51.214,37.943 U4.4 54.135,39.878 62.067,39.878 U5.3 61.813,38.862 60.579,38.862 55.797,34.08 55.622,34.08 55.372,33.83 R10.1 55.372,30.392 54.855,29.874 50.283,29.874 49.34,30.817 48.134,30.817 C8.2 48.09,27.443 53.602,21.931 ; CN1.MH2@61.588,81.273 CN1.MH4 CN1.MH3 CN1.MH1 70.238,75.098 71.374,73.962 C6.2 71.374,72.594 71.081,72.301 70.966,72.301 70.866,72.201 U3.1 70.866,68.87 72.977,66.759 C5.2 73.327,66.759 75.232,64.854 C7.2 80.939,64.854 81.49,65.405 H1.3 ; CN1.A12 62.563,80.639 62.463,80.739 61.819,80.739 61.588,80.97 CN1.MH2 54.236,81.009 45.49,72.263 44.94,72.263 44.39,72.263 43.118,73.535 32.897,73.535 ; CN1.A1 69.263,80.639 69.363,80.739 CN1.MH1@70.007,80.739 ; C18.1 70.909,28.702 H3.1 81.28,23.605 ; C9.1 80.561,46.652 H2.2 H2.2@82.169,47.752 ; 3.033,44.45 U1.16 3.033,76.483 7.747,81.197 BOOT1.2 EN1.2 15.311,81.197 17.697,78.811 C4.2 23.587,78.811 24.59,77.808 C3.2 24.94,77.808 27.94,74.808 27.94,73.535 ; 27.94,73.535 32.897,73.535 ; 53.602,21.931 C14.2 61.855,21.931 63.529,23.605 81.28,23.605
  Top Layer w0.8: D2.1@14.3,9.729 16,8.029 20.069,8.029 21.692,9.652 D3.1 ; U6.6 38.665,20.686 U6.9@38.68,20.701
  Bottom Layer w0.5: v2(4.699,44.45) 4.742,44.407 4.742,42.461 C1.1 5.742,42.418 6.035,42.125 6.035,37.885 6.328,37.592 12.827,37.592 17.033,33.386 ; v2(17.033,52.085) 17.033,33.386 ; C12.1 35.259,21.166 35.001,21.424 28.995,21.424 17.033,33.386 ; H2.2 83.439,49.53 83.439,63.754 H1.3
  Bottom Layer w0.8: C12.1 38.215,21.166 U6.9@38.68,20.701
GND_IN: "JACK 1.2" "JACK 1.3" Fuse2.1 | length 14
  Top Layer w0.8: 4.064,20.32 4.064,19.558 6.242,17.38 6.242,16.11 7.112,15.24 7.874,15.24 7.903,15.269 Fuse2.1
GPIO0_ESP: Q2.3 R4.1 R5.2 U2.25 | length 81.7
  Top Layer w0.254: R4.1 12.022,67.734 27.94,51.816 v1(44.831,51.816) 44.94,51.925 U2.25 ; v1(44.831,47.244) 64.534,47.244 68.707,51.417 Q2.3
  Top Layer w0.5: R5.2 R4.1
  Bottom Layer w0.5: v1(44.831,47.244) v1(44.831,51.816)
LORA_INT: U1.5 U2.26 | length 53.6
  Top Layer w0.254: U1.5 11.033,47.095 11.182,47.244 v1(42.037,47.244) ; v1(42.037,58.674) 43.688,57.023 U2.26
  Bottom Layer w0.254: v1(42.037,47.244) v1(42.037,58.674)
LORA_RESET: U1.4 U2.24 | length 53.2
  Top Layer w0.254: U1.4 9.033,48.111 9.182,48.26 v1(39.878,48.26) ; v5(39.878,57.912) 42.155,55.635 U2.24
  Bottom Layer w0.254: v1(39.878,48.26) v5(39.878,57.912)
NetBOOT1_1: BOOT1.1 R5.1 | length 4.4
  Top Layer w0.5: R5.1 6.881,69.934 7.131,70.184 7.131,70.359 7.747,70.975 BOOT1.1
NetC6_1: C6.1 U3.4 | length 3.5
  Top Layer w0.5: U3.4 67.056,72.201 67.51,72.655 67.51,72.7 68.171,73.362 68.924,73.362 69.174,73.612 C6.1
NetC10_1: C10.1 U6.1 | length 3.9
  Top Layer w0.5: U6.1 42.53,18.146 43.366,18.982 43.366,19.622 44.402,20.658 C10.1@44.577,20.658
NetC10_2: C10.2 D3.2 L1.1 U6.8 | length 24.5
  Top Layer w0.5: L1.1 33.782,11.41 36.655,14.283 U6.8 37.13,18.146 37.88,17.396 43.678,17.396 44.656,18.374 C10.2
  Top Layer w0.8: D3.2 33.274,9.652 L1.1
NetCN1_A4: CN1.A4 CN1.A9 CN1.B4 CN1.B9 FB1.1 | length 21.3
  Top Layer w0.35: CN1.A9 63.363,77.561 v1@63.627,77.297 ; v1@68.181,77.234 CN1.B9@68.181,80.221
  Top Layer w0.5: FB1.1 62.595,74.395 63.663,75.463 63.663,77.18 v1(63.627,77.216) v1@63.627,77.297 ; v1@68.181,77.234 v1(68.199,77.216)
  Bottom Layer w0.5: v1(63.627,77.216) 63.627,73.533 64.135,73.025 66.675,73.025 68.199,74.549 v1(68.199,77.216)
NetCN1_A6: CN1.A6 CN1.B6 U3.5 | length 15.9
  Top Layer w0.2: CN1.B6 65.163,81.546 v1(66.04,82.423) 66.113,82.35 66.113,80.289 CN1.A6 ; U3.5 66.001,71.866 66.001,73.483 66.294,73.776 v1(66.294,73.914)
  Bottom Layer w0.2: v1(66.04,82.423) 66.04,74.306 66.294,74.052 v1(66.294,73.914)
NetCN1_A7: CN1.A7 CN1.B7 U3.6 | length 19.3
  Top Layer w0.2: U3.6 v1(64.516,73.914) ; CN1.A7 65.713,80.189 65.713,79.365 65.889,79.189 66.437,79.189 66.613,79.365 66.613,80.189 CN1.B7 66.663,81.649 v1(67.437,82.423)
  Bottom Layer w0.2: v1(64.516,73.914) 64.516,81.903 65.746,83.133 66.727,83.133 v1(67.437,82.423)
NetEN1_1: EN1.1 R2.1 | length 4.4
  Top Layer w0.5: EN1.1 15.311,73.597 16.764,72.144 R2.1
NetLED1_2: LED1.2 R13.2 | length 2.3
  Top Layer w0.5: R13.2 LED1.2
NetQ1_1: Q1.1 R3.1 | length 6
  Top Layer w0.254: Q1.1@62.904,52.036 R3.1@62.904,57.715
  Top Layer w0.5: Q1.1 Q1.1@62.904,52.036 ; R3.1@62.904,57.715 R3.1
NetQ2_1: Q2.1 R6.1 | length 6
  Top Layer w0.5: Q2.1 67.857,52.029 67.857,57.715 R6.1
NetR8_2: R8.2 U5.2 | length 3.4
  Top Layer w0.5: U5.2 70.858,39.497 71.458,40.097 R8.2
NetR9_1: R9.1 R10.2 U4.3 | length 4
  Top Layer w0.254: U4.3 R9.1 R10.2
NetR11_1: R11.1 R12.2 U6.4 | length 8.3
  Top Layer w0.5: U6.4 45.619,21.956 47.044,20.531 R11.1 47.24,20.509 49.763,20.509 R12.2
RTS#: Q1.2 R6.2 U3.14 | length 14.9
  Top Layer w0.254: Q1.2 64.704,56.937 R6.2@67.795,60.028 ; R6.2@68.326,60.278 U3.14
  Top Layer w0.5: R6.2@67.795,60.028 R6.2 68.076,60.028 R6.2@68.326,60.278
RXD0_ESP: U2.34 U3.2 | length 28.8
  Top Layer w0.254: U2.34 68.939,67.183 69.088,67.332 69.088,70.729 69.237,70.878 69.373,70.878 69.596,71.101 U3.2
SPI_CLK: U1.12 U2.30 | length 54.1
  Top Layer w0.254: U1.12 11.033,50.292 45.466,50.292 47.498,52.324 47.498,61.722 47.117,62.103 U2.30
SPI_CS: U1.15 U2.29 | length 63.6
  Top Layer w0.254: U1.15 5.033,62.034 5.182,62.183 16.583,62.183 27.81,50.956 45.187,50.956 46.39,52.159 46.39,60.544 46.172,60.762 45.011,60.762 U2.29
SPI_MISO: U1.13 U2.31 | length 60.3
  Top Layer w0.254: U1.13 9.033,49.514 9.271,49.276 45.212,49.276 48.26,52.324 48.26,63.224 48.111,63.373 U2.31
SPI_MOSI: U1.14 U2.37 | length 54.1
  Top Layer w0.254: U1.14 7.033,60.43 7.182,60.579 v1(11.811,60.579) ; v1(41.529,69.088) 41.529,70.844 41.678,70.993 U2.37
  Bottom Layer w0.254: v1(11.811,60.579) 11.811,69.193 11.96,69.342 41.152,69.342 41.406,69.088 v1(41.529,69.088)
TXD0_ESP: U2.35 U3.3 | length 26.5
  Top Layer w0.254: U2.35 68.177,68.453 68.326,68.602 U3.3
VCC_3.3: C1.2 C2.1 C3.1 C4.1 C16.1 C17.2 LED1.1 R1.2 R4.2 R7.1 U1.3 U2.2 U7.2 | length 214
  Top Layer w0.5: v2(6.985,44.577) 7.009,44.553 7.009,39.568 U1.3 7.033,38.794 6.449,38.21 C2.1 30.369,34.544 38.218,42.393 R7.1 61.638,44.495 61.734,44.591 63.006,44.591 v3(63.119,44.704) v3@63.266,44.851 ; R4.2@9.248,69.934 R4.2 9.487,69.998 14.488,69.998 15.417,69.068 17.625,69.068 21.59,73.033 C4.1 24.293,75.311 24.59,75.608 C3.1 24.765,73.352 26.924,71.193 27.74,71.193 U2.2 27.993,71.046 29.69,71.046 30.145,71.501 v3(30.353,71.501) ; v2(64.77,20.193) 68.177,20.193 U7.2 70.715,19.155 74.465,15.405 74.465,13.891 LED1.1@76.878,11.478 ; LED1.1 LED1.1@76.878,11.478 ; C17.2 83.518,19.896 81.864,21.55 C16.1 79.248,19.2 78.816,18.768 78.43,18.768 76.878,17.216 LED1.1@76.878,11.478
  Bottom Layer w0.5: C1.2 6.985,70.667 7.692,71.374 30.226,71.374 v3(30.353,71.501) ; v3(63.119,44.704) 67.183,40.64 67.183,22.606 v2(64.77,20.193)
VCC_5: C5.1 C7.1 C8.1 C9.2 C13.1 C14.1 C15.2 C18.2 FB1.2 H1.1 H2.3 H3.2 L1.2 R11.2 U3.16 U4.8 U5.1 U7.3 | length 277.1
  Top Layer w0.4: U4.8 45.89,33.071 C8.1 45.89,27.589 50.859,22.62 50.859,19.822 50.625,19.588 48.651,19.588 47.244,18.181 46.932,18.181 46.782,18.031 L1.2 56.085,10.16 57.277,11.352 C13.1@57.277,11.395 ; C14.1 57.277,16.804 C13.1 ; v2(57.658,74.295) FB1.2 ; v2(59.563,10.795) 57.877,10.795 C13.1@57.277,11.395 ; C15.2 70.358,4.868 71.755,6.265 U7.3 71.755,8.765 68.368,12.152 C13.1 ; C18.2 81.11,31.072 H3.2 82.804,32.766 82.804,35.306 72.299,35.306 U5.1 v2(75.057,36.957) 82.058,43.958 82.649,43.958 82.915,44.224 82.915,49.038 H2.3 80.221,48.852 C9.2 ; v3(70.739,67.056) 70.802,66.992 70.802,65.215 U3.16 70.866,64.709 71.016,64.559 C5.1 75.057,62.654 C7.1 77.262,62.354 78.489,62.354 80.518,60.325 H1.1 ; C13.1@57.277,11.395 C13.1
  Bottom Layer w0.4: v2(57.658,74.295) 57.658,71.374 59.436,69.596 73.065,69.596 ; v2(59.563,10.795) 86.761,10.795 86.995,11.029 86.995,37.084 ; v3(70.739,67.056) 70.739,67.27 73.065,69.596 ; v2(75.057,36.957) 86.868,36.957 86.995,37.084 ; 73.065,69.596 86.761,69.596 86.995,69.362 86.995,37.084
VCC_12: C11.1 C12.2 D2.2 Fuse1.2 U6.7 | length 33.5
  Top Layer w0.5: C11.1 26.162,20.87 26.712,20.32 v4(34.544,20.32)
  Top Layer w0.8: D2.2 18.468,10.031 18.468,12.129 17.327,13.27 17.327,17.999 18.927,19.599 Fuse1.2 25.762,20.349 26.162,20.749 C11.1@26.162,20.87 ; v4(34.544,20.32) 34.652,20.32 35.456,19.516 36.555,19.516 U6.7
  Bottom Layer w0.254: C12.2@36.492,19.177 C12.2
  Bottom Layer w0.8: v4(34.544,20.32) 34.621,20.243 35.251,20.243 36.528,18.966 C12.2
VCC_12_IN: "JACK 1.1" Fuse1.1 | length 4.4
  Top Layer w0.8: 10.414,20.32 10.443,20.349 Fuse1.1
X_1: R7.2 U2.6 U5.4 | length 87
  Top Layer w0.254: v1(22.86,66.04) 22.9,66 U2.6@27.853,66
  Top Layer w0.5: U2.6@27.853,66 U2.6 ; v1(62.357,33.528) 62.397,33.568 62.397,34.007 62.448,34.057 U5.4 62.698,36.957 63.998,38.257 63.998,40.484 63.881,40.601 63.881,42.35 R7.2
  Bottom Layer w0.254: v1(22.86,66.04) 22.733,65.913 22.733,33.677 22.882,33.528 v1(62.357,33.528)
pads on no net: CN1. CN1.A5 CN1.A8 CN1.B5 CN1.B8 U1.6 U1.7 U1.8 U1.10 U1.11 U2.5 U2.7 U2.8 U2.9 U2.10 U2.11 U2.12 U2.13 U2.14 U2.16 U2.17 U2.18 U2.19 U2.20 U2.21 U2.22 U2.23 U2.27 U2.28 U2.32 U2.36 U3.7 U3.8 U3.9 U3.10 U3.11 U3.12 U3.15 U4.5 U4.6 U4.7 U6.2 U6.3 U6.5

## Polygon pours and split planes (outlines as drawn)
GND on Top Layer "NONET_L-01_P-001" (solid, remove dead copper, pour order 0): 0,86.741 0,0 88.011,0 88.265,0.254 88.265,86.741
GND on Bottom Layer "NONET_L-01_P-001" (solid, remove dead copper, pour order 1): 0,0 88.265,0 88.265,86.614 0.127,86.614

## Keep-outs
Keep-Out Layer:
  lines w0.254: 0.508,0 0,0 ; 0,0 0,86.741 88.265,86.741 88.265,0 0,0

## Silkscreen, mask and mechanical layers (free items; w line width, h text height)
Top Overlay:
  text "Thân Đê" at 74.422,75.692 h6
  text "GND" at 84.709,65.924 h1
  text "T,Doam" at 87.376,64.897 h1 r270
  text "D0" at 84.836,62.622 h1
  text "5V" at 84.836,59.828 h1
  text "Nghieng" at 87.437,50.165 h1 r270
  text "5V" at 84.582,50.049 h1
  text "GND" at 84.582,47.509 h1
  text "D0" at 84.582,44.842 h1
  text "ADC" at 84.328,33.285 h1
  text "Doamdat" at 87.259,32.639 h1 r270
  text "5V" at 84.328,30.745 h1
  text "GND" at 84.201,28.078 h1